# Altium PCB DM1097_R2M0E2.PcbDoc (part 5 of 7)
Units mm, origin at the board's own origin, x right, y up, seen from the top; angles counter-clockwise.
Board outline 110 x 60 mm, 6 copper layers (Top Copper, GND 1, PWR, Signal Layer 1, GND 2, Bottom Copper), stack 1.597 mm thick; 274 components, 266 nets, 1212 pads, 803 vias.
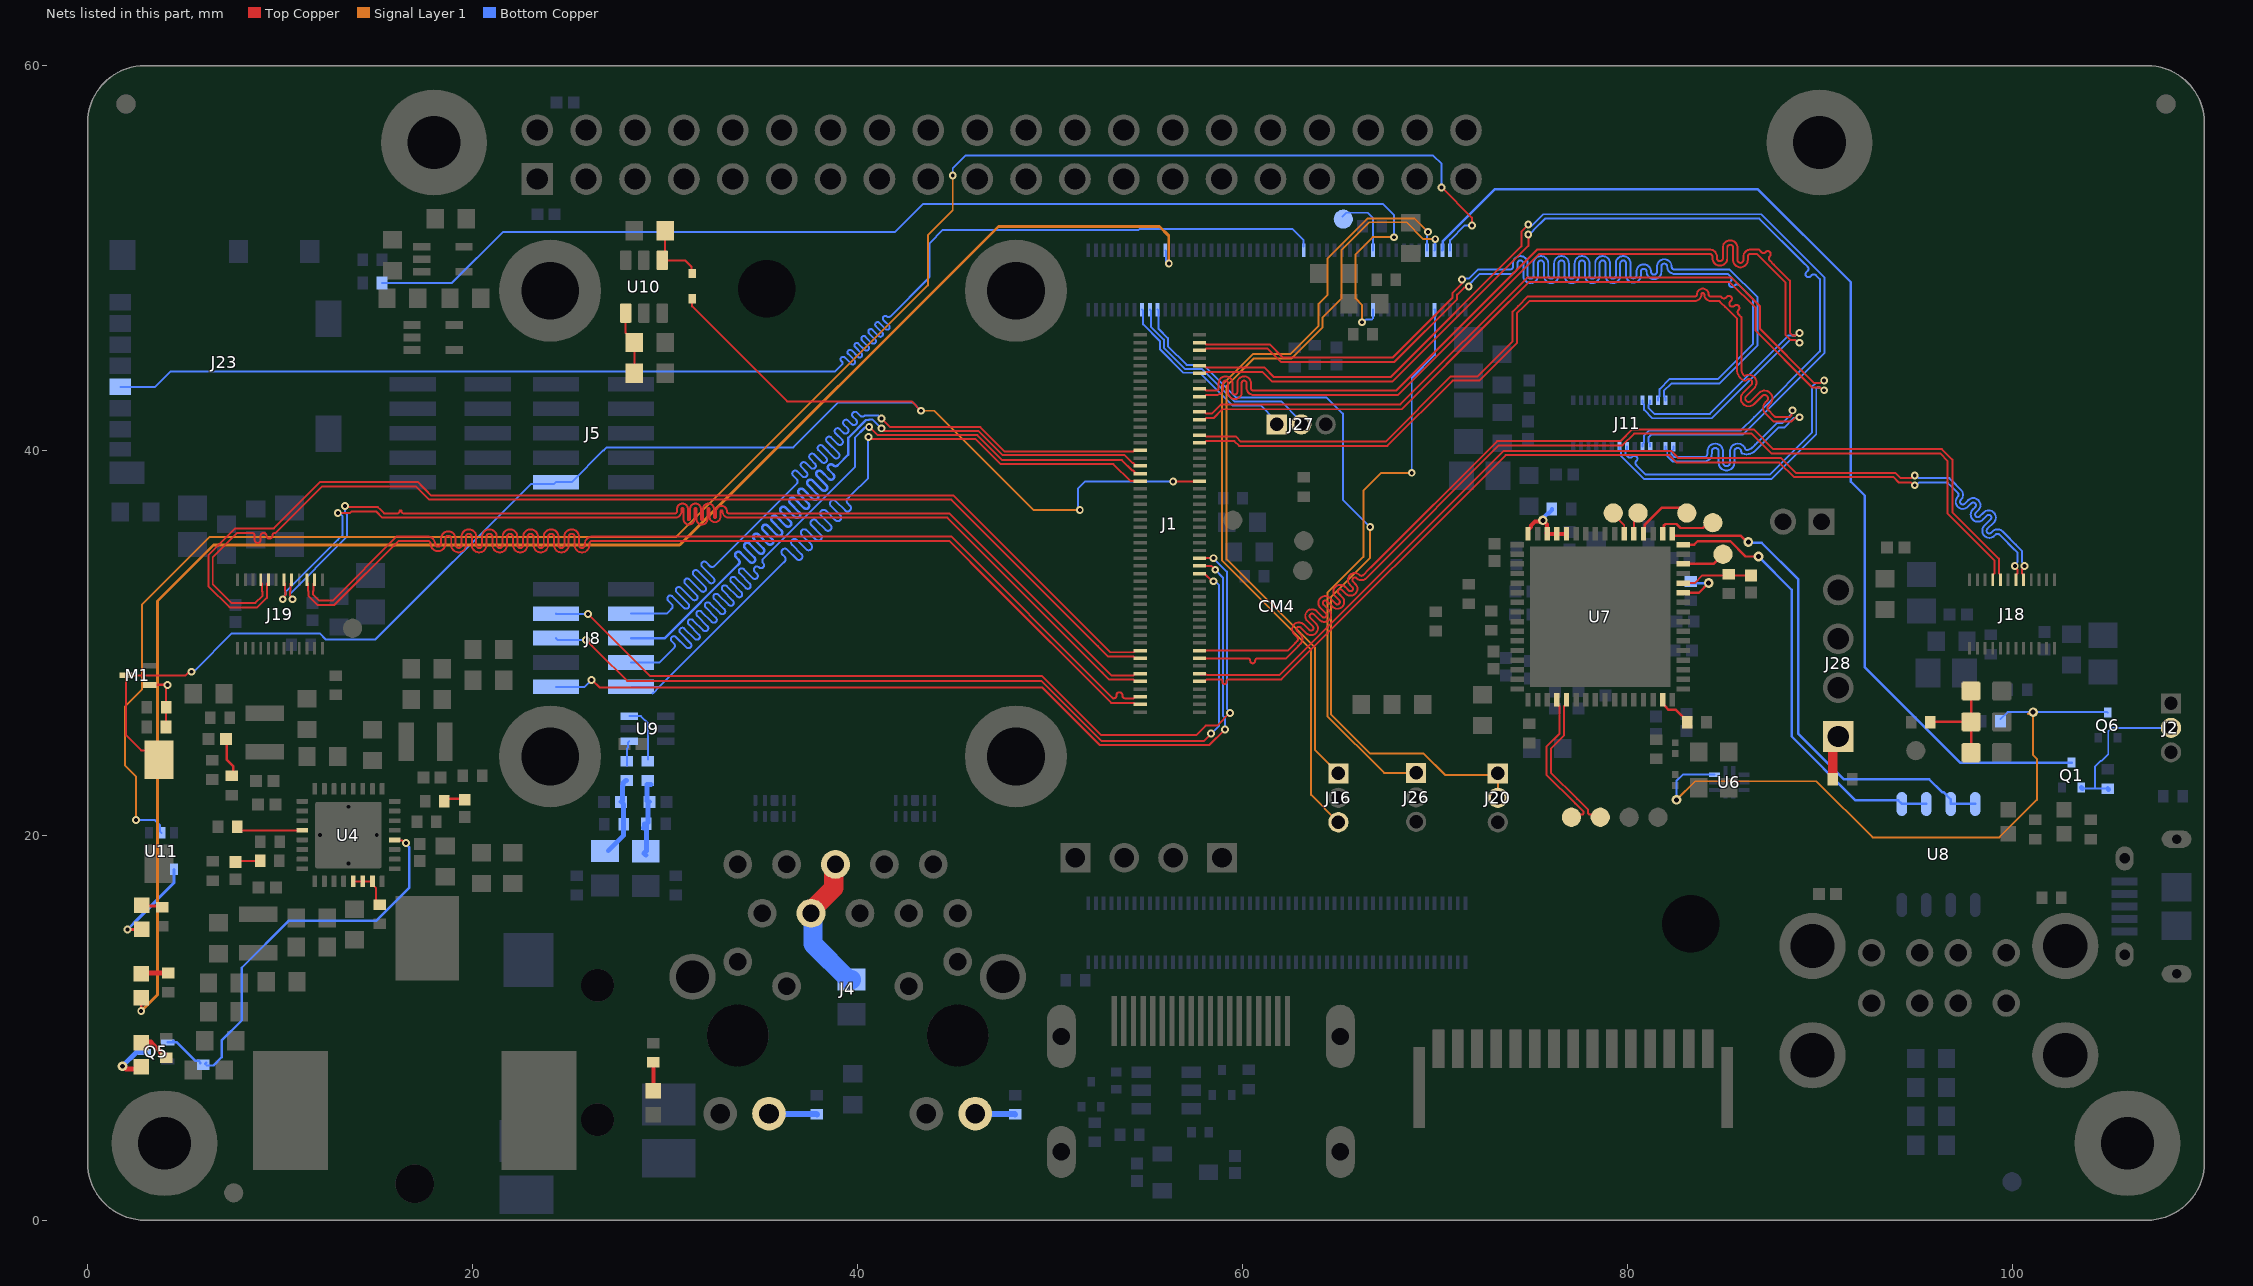
[diagram p9: the nets of this part, all layers, seen from the top]

## Via types
v1: diameter 0.406, hole 0.203, Top Copper to Bottom Copper, tented both sides, 442 vias
v2: diameter 0.508, hole 0.254, Top Copper to Bottom Copper, tented both sides, 361 vias

## Nets (pads, with @x,y where several pads share a name; then routed paths per layer and width w, separated by ;. In a path a pad name is that pad's centre, name@x,y a point inside that pad or via, vN(x,y) a via of type N, cw(c..) or ccw(c..) an arc to the next point about the centre after c; other vN are vias at no path point) (continued)
MIPI_RX2_D0_N: J1.89 J18.8 | length 54.7
  Top Copper w0.102: J1.89@57.78,28.4 57.819,28.361 58.139,28.361 58.164,28.335 61.942,28.335 73.586,39.98 82.289,39.98 82.67,39.599 88.009,39.599 88.771,38.837 93.944,38.837 94.221,38.559 94.752,38.559 94.892,38.699 v1(94.947,38.699) ; J18.8@100.6,33.14 100.6,33.524 100.515,33.609 100.515,33.788 100.654,33.927 v1(100.654,34)
  Bottom Copper w0.102: v1(94.947,38.699) 95.019,38.699 95.159,38.559 96.741,38.559 97.038,38.262 97.154,38.146 ; 97.155,38.145 97.344,37.956 cw(c97.084,37.694) 97.345,37.433 ; 97.344,37.234 cw(c97.444,37.333) 97.344,37.432 ; 97.345,37.233 ccw(c97.444,37.333) 97.544,37.234 ; 97.544,37.234 97.724,37.414 cw(c97.986,37.153) 98.247,37.414 cw(c97.986,37.153) 98.246,36.891 98.124,36.769 ccw(c98.223,36.669) 98.123,36.57 ; 98.124,36.569 ccw(c98.223,36.669) 98.323,36.57 ; 98.323,36.57 98.528,36.774 cw(c98.789,36.514) 99.051,36.775 cw(c98.789,36.514) 99.05,36.252 98.725,35.927 ; 98.724,35.727 cw(c98.824,35.827) 98.724,35.926 ; 98.725,35.727 ccw(c98.824,35.827) 98.923,35.727 ; 98.924,35.728 98.987,35.791 cw(c99.248,35.529) 99.51,35.79 99.55,35.75 99.583,35.717 99.617,35.683 100.197,35.103 100.348,34.952 100.514,34.786 100.514,34.212 100.654,34.072 v1(100.654,34)
MIPI_RX2_D0_P: J1.91 J18.7 | length 54.5
  Top Copper w0.102: J1.91@57.78,28 58.04,28 58.147,28.107 58.669,28.107 58.923,28.107 58.983,28.047 58.983,27.92 59.034,27.869 59.136,27.869 59.186,27.92 59.186,28.047 59.246,28.107 60.358,28.107 62.037,28.107 73.681,39.751 82.194,39.751 82.575,39.37 87.914,39.37 88.676,38.608 93.849,38.608 94.127,38.33 94.752,38.33 94.892,38.191 v1(94.947,38.191) ; v1(100.146,34) 100.146,33.927 100.285,33.788 100.285,33.609 100.2,33.524 J18.7@100.2,33.275
  Bottom Copper w0.102: v1(94.947,38.191) 95.019,38.191 95.159,38.33 96.4,38.33 96.646,38.33 96.876,38.101 96.992,37.985 97.183,37.794 cw(c97.084,37.694) 97.184,37.595 ; 97.183,37.594 ccw(c97.444,37.333) 97.183,37.072 ccw(c97.444,37.333) 97.706,37.072 97.885,37.252 ; 97.886,37.252 cw(c97.986,37.153) 98.085,37.253 ; 98.085,37.053 97.963,36.931 ccw(c98.223,36.669) 97.962,36.408 ccw(c98.223,36.669) 98.485,36.408 98.689,36.613 cw(c98.789,36.514) 98.888,36.614 ; 98.085,37.053 ccw(c97.986,37.153) 98.086,37.252 ; 98.889,36.613 cw(c98.789,36.514) 98.889,36.414 98.563,36.088 ccw(c98.824,35.827) 98.563,35.565 ccw(c98.824,35.827) 99.086,35.566 99.148,35.628 cw(c99.248,35.529) 99.348,35.629 ; 99.348,35.628 99.388,35.588 99.455,35.521 100.103,34.874 100.186,34.791 100.286,34.691 100.286,34.212 100.146,34.072 v1(100.146,34)
MIPI_RX2_D1_N: J1.83 J18.5 | length 57.7
  Top Copper w0.102: J1.83@57.78,29.6 62.358,29.6 62.748,29.99 62.864,30.106 ; 62.695,30.958 ccw(c62.948,30.707) 62.696,30.455 62.864,30.287 cw(c62.775,30.197) 62.865,30.107 ; 62.697,30.959 cw(c62.948,30.707) 63.161,30.992 63.166,30.992 63.486,30.672 ; 63.487,30.671 ccw(c63.577,30.761) 63.667,30.671 ; 63.667,30.671 ccw(c63.577,30.761) 63.667,30.852 63.379,31.139 cw(c63.631,31.39) 63.844,31.676 63.849,31.676 64.17,31.355 ; 64.062,32.325 ccw(c64.314,32.074) 64.063,31.822 64.35,31.535 cw(c64.26,31.444) 64.351,31.355 ; 64.063,32.326 cw(c64.314,32.074) 64.527,32.359 64.533,32.359 64.853,32.038 ; 64.17,31.355 ccw(c64.26,31.444) 64.35,31.354 ; 64.84,32.914 ccw(c65.092,32.663) 64.84,32.411 65.033,32.219 cw(c64.944,32.128) 65.034,32.038 ; 64.841,32.915 cw(c65.092,32.663) 65.344,32.914 65.537,32.722 ; 64.854,32.038 ccw(c64.944,32.128) 65.033,32.037 ; 65.537,32.721 ccw(c65.627,32.811) 65.717,32.721 ; 65.718,32.721 ccw(c65.627,32.811) 65.717,32.902 65.598,33.02 cw(c65.85,33.272) 66.102,33.523 ccw(c66.192,33.613) 66.282,33.524 ; 66.282,33.524 66.583,33.825 66.7,33.942 73.245,40.486 79.655,40.486 80.266,41.097 86.568,41.097 87.592,40.073 94.382,40.073 96.357,40.073 96.902,39.527 96.902,36.794 99.314,34.381 99.314,33.609 99.4,33.523 J18.5@99.4,33.14
MIPI_RX2_D1_P: J1.85 J18.4 | length 57.6
  Top Copper w0.102: J1.85@57.78,29.2 59.985,29.2 60.29,29.2 cw(c60.29,29.073) 60.417,29.073 60.417,29.065 ccw(c60.545,29.065) 60.545,28.938 ccw(c60.545,29.065) 60.672,29.065 60.672,29.073 cw(c60.799,29.073) 60.799,29.2 61.879,29.2 62.282,29.2 62.91,29.828 63.026,29.944 ccw(c62.775,30.197) 63.026,30.449 62.858,30.616 ; 62.858,30.617 cw(c62.948,30.707) 62.857,30.797 ; 62.858,30.797 cw(c62.948,30.707) 63.038,30.797 ; 63.039,30.796 63.325,30.509 ccw(c63.577,30.761) 63.828,30.509 ; 63.541,31.3 cw(c63.631,31.39) 63.722,31.48 ; 63.542,31.3 63.862,30.979 63.862,30.974 cw(c63.577,30.761) 63.829,30.51 ; 63.722,31.48 64.009,31.193 ccw(c64.26,31.444) 64.511,31.192 ; 64.225,31.984 cw(c64.314,32.074) 64.224,32.163 ; 64.225,31.983 64.546,31.663 64.546,31.657 cw(c64.26,31.444) 64.513,31.193 ; 64.225,32.164 cw(c64.314,32.074) 64.405,32.163 ; 64.405,32.163 64.692,31.876 ccw(c64.944,32.128) 65.195,31.875 ; 65.002,32.753 ccw(c65.092,32.663) 65.002,32.573 ; 65.003,32.572 65.229,32.346 65.229,32.341 cw(c64.944,32.128) 65.196,31.877 ; 65.002,32.753 cw(c65.092,32.663) 65.182,32.753 ; 65.182,32.752 65.375,32.559 ccw(c65.627,32.811) 65.878,32.559 ; 65.879,32.56 ccw(c65.627,32.811) 65.912,33.024 65.912,33.029 65.761,33.181 cw(c65.85,33.272) 65.939,33.362 ; 65.941,33.361 ccw(c66.192,33.613) 66.444,33.362 66.745,33.663 ; 66.746,33.664 66.862,33.78 73.339,40.258 79.75,40.258 80.361,40.869 86.473,40.869 87.497,39.844 94.4,39.844 96.262,39.844 96.658,39.449 96.658,36.715 99.086,34.287 99.086,33.609 99,33.523 J18.4@99,33.275 ; 65.939,33.362 ccw(c66.192,33.613) 65.94,33.361
MIPI_RX3_C_N: J1.96 J19.11 | length 59.8
  Top Copper w0.102: J19.11@11.8,33.14 11.736,33.076 11.736,32.693 11.714,32.671 11.714,32.528 12.042,32.2 12.738,32.2 16.066,35.529 17.007,35.529 17.677,35.529 cw(c17.677,35.147) 18.059,35.147 ccw(c18.212,35.147) 18.364,35.147 18.364,35.414 cw(c18.746,35.414) 19.127,35.414 19.127,35.084 ccw(c19.28,35.084) 19.433,35.084 19.433,35.519 cw(c19.814,35.519) 20.196,35.519 20.196,35.081 ccw(c20.348,35.081) 20.501,35.081 20.501,35.519 cw(c20.883,35.519) 21.264,35.519 21.264,35.081 ccw(c21.417,35.081) 21.57,35.081 21.57,35.519 cw(c21.951,35.519) 22.332,35.519 22.332,35.081 ccw(c22.485,35.081) 22.638,35.081 22.638,35.519 cw(c23.019,35.519) 23.401,35.519 23.401,35.081 ccw(c23.554,35.081) 23.706,35.081 23.706,35.519 cw(c24.088,35.519) 24.469,35.519 24.469,35.081 ccw(c24.622,35.081) 24.775,35.081 24.775,35.519 cw(c25.156,35.519) 25.538,35.519 25.538,35.081 ccw(c25.69,35.081) 25.843,35.081 25.843,35.147 cw(c26.225,35.147) 26.225,35.529 26.39,35.529 33.732,35.529 44.871,35.529 52.988,27.412 53.11,27.29 53.286,27.114 53.314,27.114 ccw(c53.314,27.267) 53.466,27.267 53.466,27.282 cw(c53.619,27.282) 53.772,27.282 53.772,27.267 ccw(c53.925,27.267) 53.925,27.114 54.153,27.114 54.354,27.114 54.44,27.2 J1.96@54.7,27.2
MIPI_RX3_C_P: J1.98 J19.10 | length 59.8
  Top Copper w0.102: J19.10@11.4,33.14 11.464,33.076 11.464,32.693 11.486,32.671 11.486,32.433 11.947,31.971 12.833,31.971 16.161,35.3 17.007,35.3 17.677,35.3 cw(c17.677,35.147) 17.83,35.147 ccw(c18.212,35.147) 18.593,35.147 18.593,35.414 cw(c18.746,35.414) 18.899,35.414 18.899,35.084 ccw(c19.28,35.084) 19.661,35.084 19.661,35.519 cw(c19.814,35.519) 19.967,35.519 19.967,35.081 ccw(c20.348,35.081) 20.73,35.081 20.73,35.519 cw(c20.883,35.519) 21.035,35.519 21.035,35.081 ccw(c21.417,35.081) 21.798,35.081 21.798,35.519 cw(c21.951,35.519) 22.104,35.519 22.104,35.081 ccw(c22.485,35.081) 22.867,35.081 22.867,35.519 cw(c23.019,35.519) 23.172,35.519 23.172,35.081 ccw(c23.554,35.081) 23.935,35.081 23.935,35.519 cw(c24.088,35.519) 24.241,35.519 24.241,35.081 ccw(c24.622,35.081) 25.003,35.081 25.003,35.519 cw(c25.156,35.519) 25.309,35.519 25.309,35.081 ccw(c25.69,35.081) 26.072,35.081 26.072,35.147 cw(c26.225,35.147) 26.225,35.3 26.39,35.3 33.732,35.3 44.777,35.3 46.971,33.105 53.191,26.886 54.354,26.886 54.44,26.8 J1.98@54.7,26.8
MIPI_RX3_D0_N: J1.90 J19.8 | length 56.9
  Top Copper w0.101: v1(13.386,37.109) 13.441,37.054 15.092,37.054 15.215,36.932 15.414,36.732 16.059,36.732 16.11,36.732 ccw(c16.11,36.832) 16.21,36.832 cw(c16.265,36.832) 16.265,36.888 cw(c16.265,36.832) 16.321,36.832 ccw(c16.421,36.832) 16.421,36.732 17.205,36.732 30.366,36.732 30.53,36.732 ccw(c30.53,36.832) 30.631,36.832 30.631,36.955 cw(c30.914,36.955) 30.914,37.237 cw(c30.914,36.955) 31.197,36.955 31.197,36.435 ccw(c31.252,36.435) 31.252,36.379 ccw(c31.252,36.435) 31.307,36.435 31.307,36.955 cw(c31.59,36.955) 31.59,37.237 cw(c31.59,36.955) 31.873,36.955 31.873,36.435 ccw(c31.928,36.435) 31.928,36.379 ccw(c31.928,36.435) 31.983,36.435 31.983,36.955 cw(c32.266,36.955) 32.266,37.237 cw(c32.266,36.955) 32.549,36.955 32.549,36.552 ccw(c32.604,36.552) 32.604,36.497 ccw(c32.604,36.552) 32.659,36.552 32.659,36.832 cw(c32.942,36.832) 32.942,37.115 cw(c32.942,36.832) 33.225,36.832 ccw(c33.325,36.832) 33.325,36.732 38.742,36.732 44.777,36.732 53.195,28.314 54.354,28.314 54.44,28.4 J1.90@54.7,28.4
  Top Copper w0.102: J19.8@10.6,33.14 10.536,33.076 10.536,32.692 10.515,32.671 10.515,32.481 10.654,32.342 v1(10.654,32.269)
  Bottom Copper w0.101: 10.514,32.536 13.17,35.192 13.48,35.502 13.48,36.678 13.383,36.775 13.383,36.946 v1@13.547,37.109
  Bottom Copper w0.102: 10.514,32.536 10.514,32.481 10.654,32.342 v1(10.654,32.269)
MIPI_RX3_D0_P: J1.92 J19.7 | length 56.8
  Top Copper w0.101: v1(13.005,36.754) 13.645,36.754 13.717,36.826 14.998,36.826 15.32,36.504 30.366,36.504 30.53,36.504 ccw(c30.53,36.832) 30.858,36.832 30.858,36.955 cw(c30.914,36.955) 30.914,37.01 cw(c30.914,36.955) 30.969,36.955 30.969,36.435 ccw(c31.252,36.435) 31.252,36.152 ccw(c31.252,36.435) 31.535,36.435 31.535,36.955 cw(c31.59,36.955) 31.59,37.01 cw(c31.59,36.955) 31.645,36.955 31.645,36.435 ccw(c31.928,36.435) 31.928,36.152 ccw(c31.928,36.435) 32.211,36.435 32.211,36.955 cw(c32.266,36.955) 32.266,37.01 cw(c32.266,36.955) 32.321,36.955 32.321,36.552 ccw(c32.604,36.552) 32.604,36.269 ccw(c32.604,36.552) 32.887,36.552 32.887,36.832 cw(c32.942,36.832) 32.942,36.888 cw(c32.942,36.832) 32.997,36.832 ccw(c33.325,36.832) 33.325,36.504 38.742,36.504 44.683,36.504 52.73,28.456 53.101,28.086 54.279,28.086 54.354,28.086 54.44,28 J1.92@54.7,28
  Top Copper w0.102: v1(10.146,32.269) 10.146,32.342 10.285,32.481 10.285,32.671 10.264,32.692 10.264,33.076 J19.7@10.2,33.14
  Bottom Copper w0.101: v1(10.146,32.269) 10.146,32.341 10.286,32.481 10.286,32.631 13.009,35.353 13.252,35.596 13.252,36.584 13.005,36.832 v1@13.005,36.848
MIPI_RX3_D1_N: J1.84 J19.5 | length 60.9
  Top Copper w0.101: 16.867,38.361 17.148,38.361 17.422,38.087 17.842,37.667 44.985,37.667 53.138,29.514 54.354,29.514 54.44,29.6 J1.84@54.7,29.6
  Top Copper w0.102: J19.5@9.4,33.14 9.336,33.076 9.336,32.693 9.314,32.671 9.314,32.34 8.819,31.845 7.384,31.845 6.278,32.95 6.278,34.547 7.68,35.948 9.684,35.948 12.097,38.362 16.867,38.362 17.148,38.362 17.696,37.814
MIPI_RX3_D1_P: J1.86 J19.4 | length 59.8
  Top Copper w0.101: 17.601,37.585 17.747,37.44 44.89,37.44 52.499,29.831 53.044,29.286 54.354,29.286 54.44,29.2 J1.86@54.7,29.2
  Top Copper w0.102: J19.4@9,33.14 9.064,33.076 9.064,32.693 9.086,32.671 9.086,32.434 8.725,32.073 7.478,32.073 6.507,33.045 6.507,34.452 7.775,35.72 8.178,35.72 8.535,35.72 cw(c8.535,35.567) 8.687,35.567 8.687,35.347 ccw(c8.84,35.347) 8.993,35.347 8.993,35.567 cw(c9.146,35.567) 9.299,35.567 ccw(c9.451,35.567) 9.604,35.567 cw(c9.757,35.567) 9.757,35.72 9.778,35.72 10.363,36.304 12.192,38.133 17.053,38.133 17.601,37.585
MIPI_RX4_C_N: J1.3 J11.28 | length 53.4
  Top Copper w0.102: J1.3@57.78,45.6 58.04,45.6 58.126,45.514 61.42,45.514 62.105,44.829 66.563,44.829 67.818,44.829 70.936,47.947 70.936,48.186 v1@71.454,48.703 ; v1(71.413,48.878) v1@71.471,48.936
  Bottom Copper w0.102: v1(71.413,48.878) 71.461,48.927 71.768,48.927 72.242,49.4 73.753,49.4 73.918,49.4 ccw(c73.918,49.553) 74.071,49.553 74.071,49.719 cw(c74.452,49.719) 74.834,49.719 74.834,49.081 ccw(c74.987,49.081) 75.139,49.081 75.139,49.719 cw(c75.521,49.719) 75.902,49.719 75.902,49.081 ccw(c76.055,49.081) 76.208,49.081 76.208,49.719 cw(c76.589,49.719) 76.971,49.719 76.971,49.081 ccw(c77.123,49.081) 77.276,49.081 77.276,49.719 cw(c77.658,49.719) 78.039,49.719 78.039,49.081 ccw(c78.192,49.081) 78.345,49.081 78.345,49.719 cw(c78.726,49.719) 79.107,49.719 79.107,49.081 ccw(c79.26,49.081) 79.413,49.081 79.413,49.719 cw(c79.794,49.719) 80.176,49.719 80.176,49.095 ccw(c80.329,49.095) 80.481,49.095 80.481,49.286 cw(c80.863,49.286) 81.244,49.286 ccw(c81.397,49.286) 81.55,49.286 81.55,49.553 cw(c81.931,49.553) 82.313,49.553 ccw(c82.465,49.553) 82.465,49.4 84.761,49.4 84.926,49.4 85.065,49.4 85.33,49.4 86.778,47.952 86.778,47.836 86.778,45.59 86.778,45.455 84.795,43.471 82.296,43.471 81.914,43.09 81.914,42.826 82,42.74 J11.28@82,42.6
MIPI_RX4_C_P: J1.5 J11.27 | length 53.5
  Top Copper w0.102: J1.5@57.78,45.2 58.04,45.2 58.126,45.286 61.325,45.286 62.011,44.6 67.913,44.6 71.165,47.852 71.165,48.091 71.534,48.461 71.714,48.461 v1(71.772,48.519)
  Bottom Copper w0.102: v1(71.772,48.519) 71.772,48.601 71.974,48.803 71.974,48.809 72.336,49.171 72.967,49.171 73.753,49.171 73.918,49.171 ccw(c73.918,49.553) 74.3,49.553 74.3,49.719 cw(c74.452,49.719) 74.605,49.719 74.605,49.081 ccw(c74.987,49.081) 75.368,49.081 75.368,49.719 cw(c75.521,49.719) 75.674,49.719 75.674,49.081 ccw(c76.055,49.081) 76.436,49.081 76.436,49.719 cw(c76.589,49.719) 76.742,49.719 76.742,49.081 ccw(c77.123,49.081) 77.505,49.081 77.505,49.719 cw(c77.658,49.719) 77.81,49.719 77.81,49.081 ccw(c78.192,49.081) 78.573,49.081 78.573,49.719 cw(c78.726,49.719) 78.879,49.719 78.879,49.081 ccw(c79.26,49.081) 79.642,49.081 79.642,49.719 cw(c79.794,49.719) 79.947,49.719 79.947,49.095 ccw(c80.329,49.095) 80.71,49.095 80.71,49.286 cw(c80.863,49.286) 81.016,49.286 ccw(c81.397,49.286) 81.778,49.286 81.778,49.553 cw(c81.931,49.553) 82.084,49.553 ccw(c82.465,49.553) 82.465,49.171 84.761,49.171 84.926,49.171 85.065,49.171 85.236,49.171 85.389,49.018 cw(c85.281,48.91) 85.389,48.802 85.338,48.752 ccw(c85.446,48.644) 85.554,48.535 85.605,48.586 cw(c85.713,48.478) 85.821,48.586 85.857,48.55 86.55,47.857 86.55,47.836 86.55,45.59 86.55,45.55 84.7,43.7 82.201,43.7 81.686,43.185 81.686,42.826 81.6,42.74 J11.27@81.6,42.6
MIPI_RX4_D0_N: J1.9 J11.5 | length 53.7
  Top Copper w0.102: J1.9@57.78,44.4 58.04,44.4 58.126,44.314 58.471,44.314 61.041,44.314 ; 60.804,44.314 61.041,44.314 ; v1(74.864,51.732) 74.864,51.727 74.509,51.371 74.509,50.602 67.722,43.815 61.635,43.815 61.136,44.314 61.041,44.314
  Bottom Copper w0.102: v1(74.864,51.732) 74.947,51.732 75.009,51.669 75.034,51.669 75.638,52.273 86.965,52.273 87.911,51.327 90.246,48.992 90.246,45.055 86.008,40.816 81.241,40.816 81.114,40.69 81.114,40.426 81.2,40.34 J11.5@81.2,40.2
MIPI_RX4_D0_P: J1.11 J11.6 | length 53.7
  Top Copper w0.102: J1.11@57.78,44 58.04,44 58.126,44.086 61.041,44.086 ; 60.804,44.086 61.041,44.086 ; v1(74.864,51.224) 74.864,50.634 67.817,43.586 61.541,43.586 61.041,44.086
  Bottom Copper w0.102: v1(74.864,51.224) 74.937,51.224 75.076,51.363 75.143,51.43 75.143,51.455 75.733,52.045 86.871,52.045 89.124,49.791 89.376,49.539 cw(c89.268,49.431) 89.376,49.323 89.313,49.261 ccw(c89.422,49.153) 89.53,49.045 89.592,49.107 cw(c89.7,48.999) 89.808,49.107 90.018,48.898 90.018,45.15 86.603,41.735 85.913,41.045 81.146,41.045 80.886,40.785 80.886,40.426 80.8,40.34 J11.6@80.8,40.2
MIPI_RX4_D1_N: J1.15 J11.26 | length 53.5
  Top Copper w0.101: 88.454,47.033 88.454,46.107 88.597,45.964 88.747,45.964 88.888,46.104 v1(88.959,46.104)
  Top Copper w0.102: J1.15@57.78,43.2 58.04,43.2 58.126,43.114 58.486,43.114 58.651,43.114 ccw(c58.651,43.241) 58.778,43.241 58.778,43.499 cw(c59.134,43.499) 59.489,43.499 59.489,43.028 ccw(c59.616,43.028) 59.743,43.028 59.743,43.499 cw(c60.099,43.499) 60.455,43.499 60.455,43.241 ccw(c60.582,43.241) 60.582,43.114 61.051,43.114 68.013,43.114 75.343,50.444 83.693,50.444 84.287,50.444 cw(c84.287,50.063) 84.668,50.063 84.668,49.984 ccw(c84.821,49.984) 84.974,49.984 84.974,50.534 cw(c85.355,50.534) 85.736,50.534 85.736,49.897 ccw(c85.889,49.897) 86.042,49.897 86.042,50.063 cw(c86.423,50.063) 86.423,50.444 86.589,50.444 86.836,50.444 86.941,50.339 86.977,50.303 ccw(c87.085,50.411) 87.193,50.303 87.202,50.313 cw(c87.31,50.205) 87.418,50.097 87.409,50.087 ccw(c87.517,49.979) 87.409,49.871 87.627,49.654 88.454,48.826 88.454,48.22 88.454,47.033
  Bottom Copper w0.102: J11.26@81.2,42.6 81.2,42.46 81.114,42.374 81.114,42.198 81.412,41.9 84.3,41.9 88.365,45.965 88.747,45.965 88.887,46.104 v1(88.959,46.104)
MIPI_RX4_D1_P: J1.17 J11.25 | length 54.4
  Top Copper w0.101: 88.227,47.864 88.227,46.938 88.227,46.013 88.503,45.737 88.747,45.737 88.888,45.596 v1(88.959,45.596)
  Top Copper w0.102: J1.17@57.78,42.8 58.04,42.8 58.126,42.886 58.486,42.886 58.651,42.886 ccw(c58.651,43.241) 59.007,43.241 59.007,43.499 cw(c59.134,43.499) 59.261,43.499 59.261,43.028 ccw(c59.616,43.028) 59.972,43.028 59.972,43.499 cw(c60.099,43.499) 60.226,43.499 60.226,43.241 ccw(c60.582,43.241) 60.582,42.886 61.051,42.886 68.107,42.886 75.437,50.216 83.693,50.216 84.287,50.216 cw(c84.287,50.063) 84.439,50.063 84.439,49.984 ccw(c84.821,49.984) 85.202,49.984 85.202,50.534 cw(c85.355,50.534) 85.508,50.534 85.508,49.897 ccw(c85.889,49.897) 86.271,49.897 86.271,50.063 cw(c86.423,50.063) 86.423,50.216 86.589,50.216 86.741,50.216 87.465,49.492 88.225,48.731 88.225,47.866 ; 88.225,46.938 88.225,47.866 ; 88.227,47.864 88.225,47.866
  Bottom Copper w0.102: J11.25@80.8,42.6 80.8,42.46 80.886,42.374 80.886,42.103 81.317,41.671 84.395,41.671 88.459,45.736 88.747,45.736 88.887,45.596 v1(88.959,45.596)
MIPI_RX5_D0_N: J1.21 J11.8 | length 53.4
  Top Copper w0.101: 83.997,48.979 84.244,48.979 ; 84.245,48.978 85.429,48.978 86.905,47.502 86.905,46.317 89.727,43.495 90.028,43.495 90.168,43.635 v1(90.24,43.635)
  Top Copper w0.102: J1.21@57.78,42 58.04,42 58.126,41.914 58.42,41.914 58.509,42.004 58.898,42.393 68.215,42.393 74.801,48.979 75.001,48.979 80.515,48.979 83.997,48.979
  Bottom Copper w0.101: 86.483,38.746 86.711,38.746 87.42,38.745 89.6,40.925 89.6,43.303 89.792,43.495 90.028,43.495 90.168,43.635 v1(90.24,43.635)
  Bottom Copper w0.102: J11.8@80,40.2 80,40.06 79.914,39.974 79.914,39.952 79.914,39.798 80.046,39.666 ccw(c80.154,39.774) 80.262,39.666 80.271,39.676 cw(c80.38,39.568) 80.488,39.46 80.478,39.45 ccw(c80.586,39.342) 80.478,39.234 80.73,38.982 80.966,38.746 82.46,38.746 85.6,38.746 86.483,38.746
MIPI_RX5_D0_P: J1.23 J11.9 | length 53.4
  Top Copper w0.101: 83.903,48.751 85.335,48.751 86.677,47.408 86.677,46.223 89.633,43.267 90.028,43.267 90.168,43.127 v1(90.24,43.127)
  Top Copper w0.102: J1.23@57.78,41.6 58.04,41.6 58.126,41.686 58.515,41.686 58.968,42.139 68.285,42.139 72.898,46.752 74.896,48.75 75.001,48.75 80.515,48.75 83.903,48.75
  Bottom Copper w0.101: 86.483,38.517 86.711,38.517 ; 86.712,38.518 87.514,38.518 89.827,40.831 89.827,43.208 89.886,43.267 90.028,43.267 90.168,43.127 v1(90.24,43.127)
  Bottom Copper w0.102: J11.9@79.6,40.2 79.6,40.06 79.686,39.974 79.686,39.703 80.872,38.517 86.483,38.517